# Altium PCB Dashcam_V2.0B.PcbDoc (part 4 of 8) (continued)
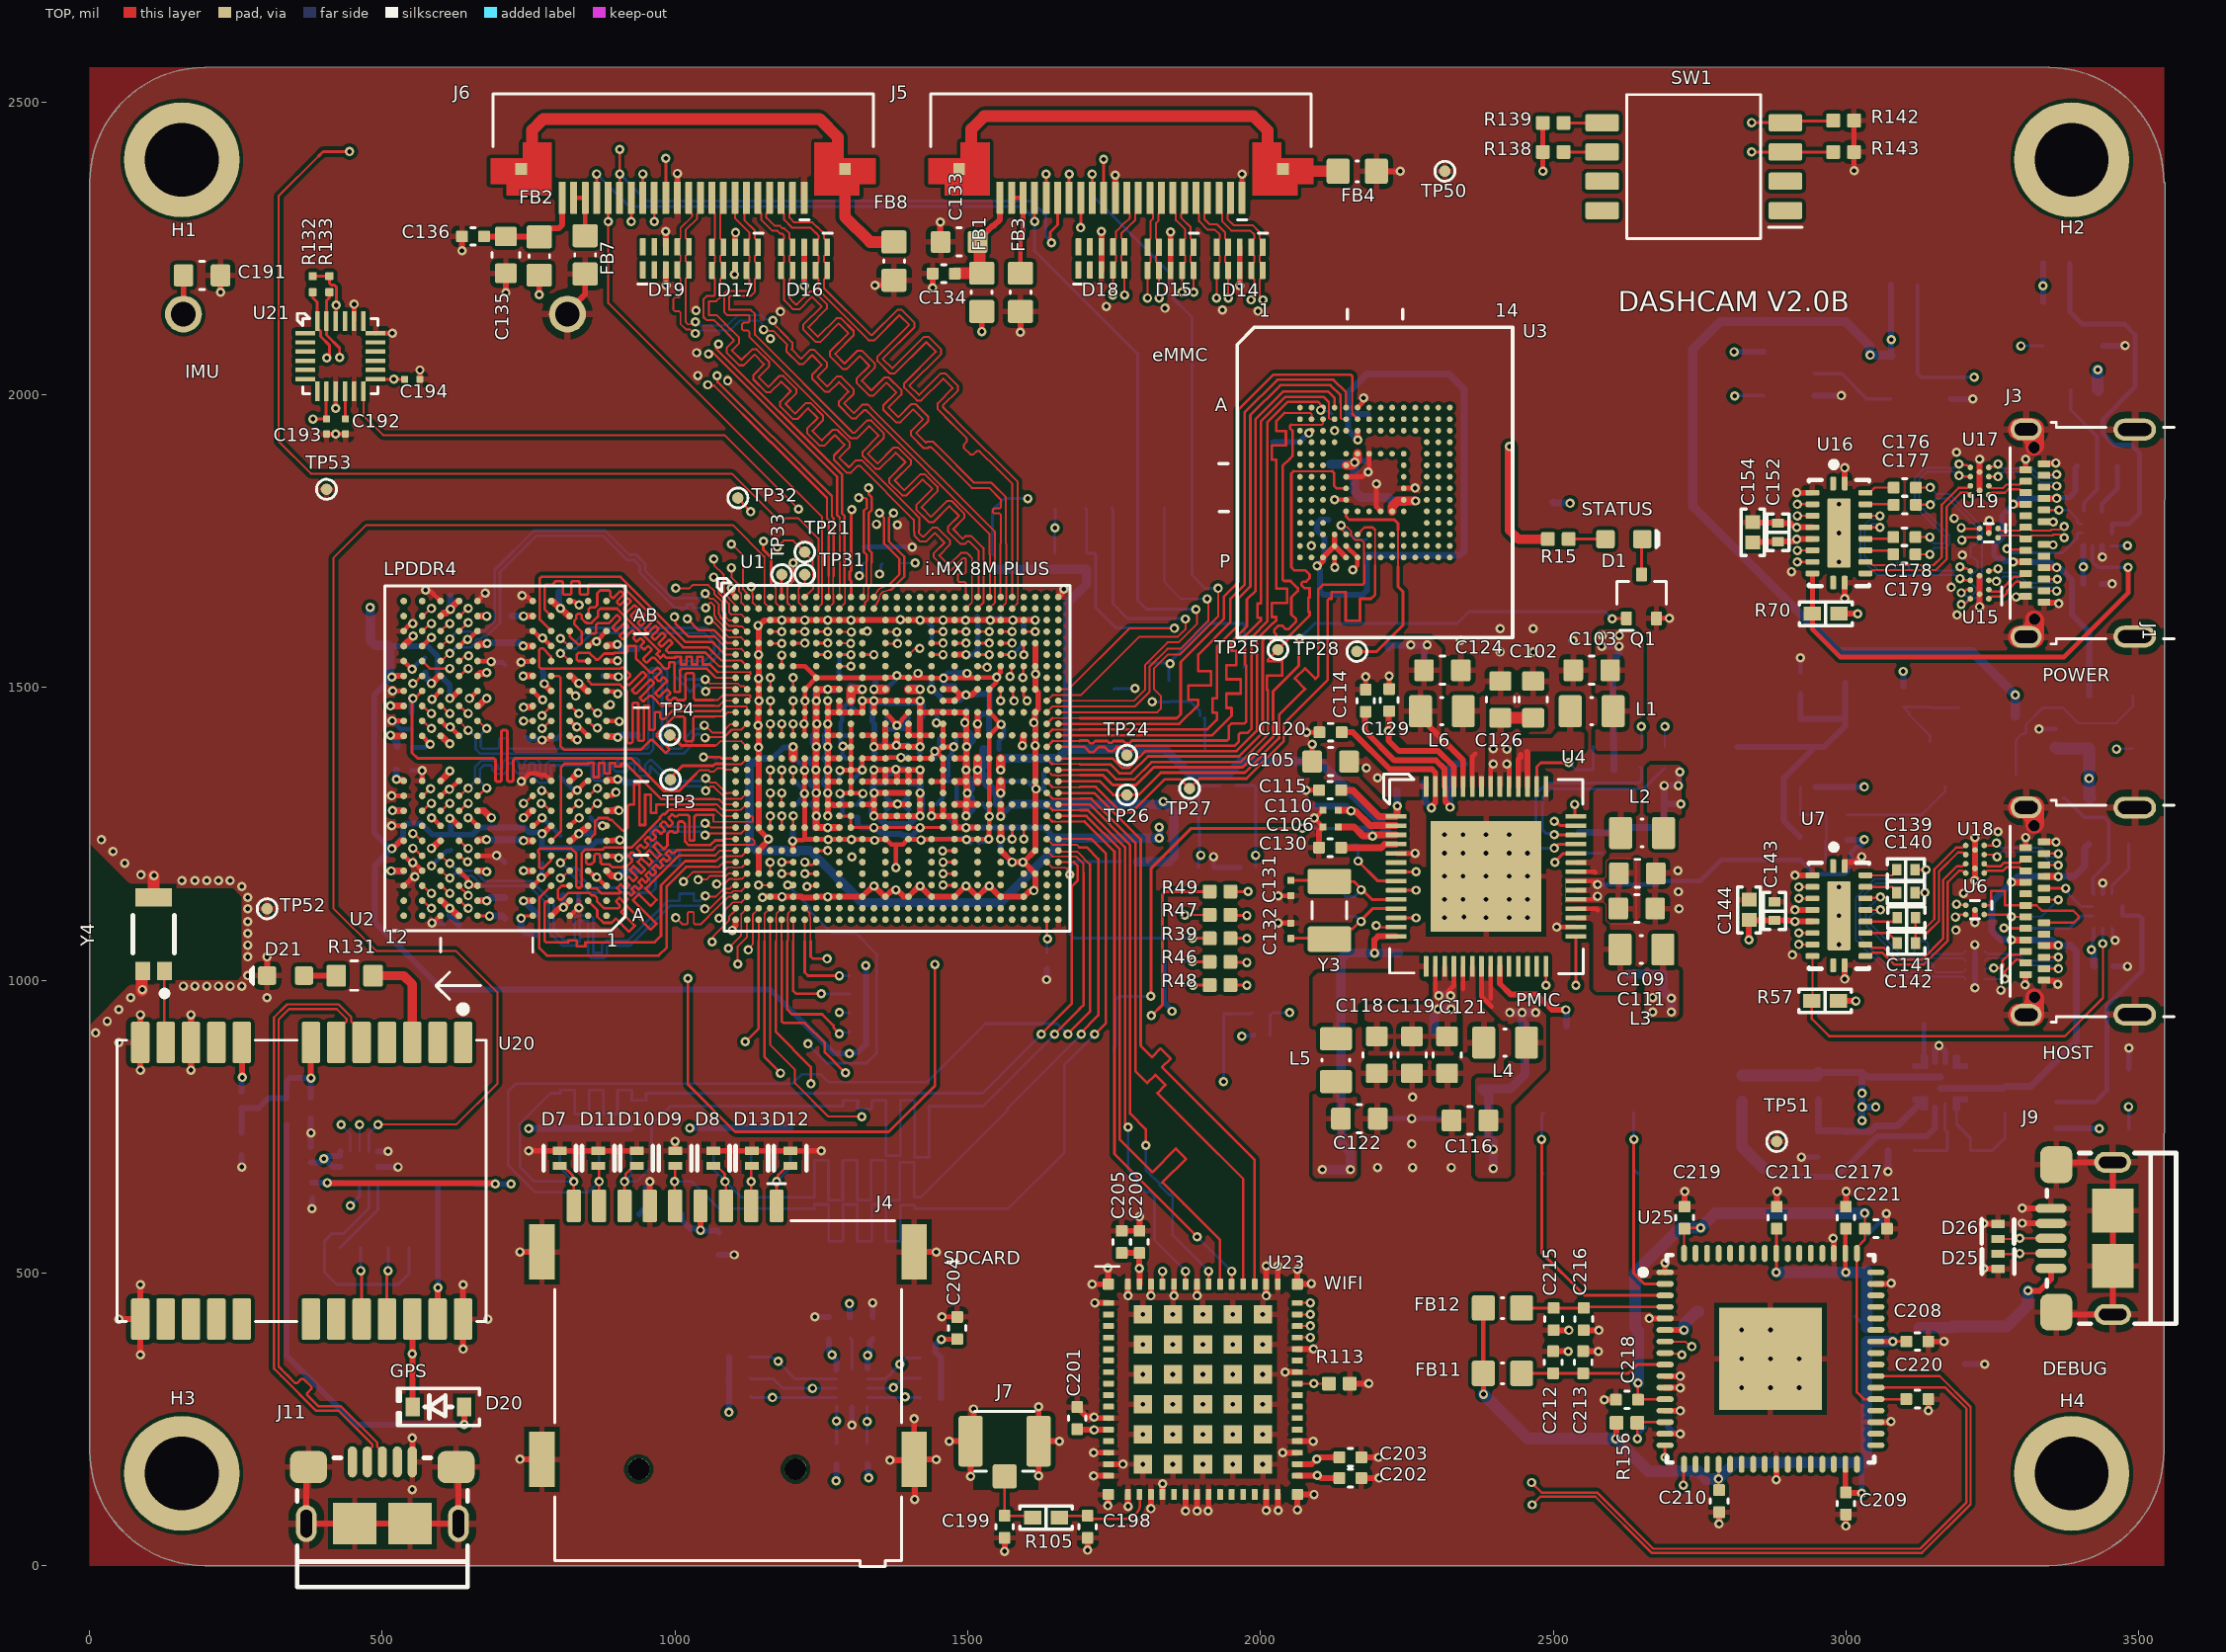
[diagram p0: TOP view]
## Nets (pads, with @x,y where several pads share a name; then routed paths per layer and width w, separated by ;. In a path a pad name is that pad's centre, name@x,y a point inside that pad or via, vN(x,y) a via of type N, cw(c..) or ccw(c..) an arc to the next point about the centre after c; other vN are vias at no path point) (continued)
  L3_IN1 w3.6: v2@585.14,1635.68 585.14,1636.21 599,1650.07 599,1766 613,1780 1107,1780 1132.14,1754.86 1132.14,1692.52 1132.14,1674.14 v2(1130,1672)
  other v2: 583.77,1634.84
DRAM_DATA0_B: U1.AC1 U2.B2 | length 559.4
  TOP w3.35: 1068.54,1213.39 1076.61,1221.46 U1.AC1@1103.46,1221.46
  TOP w4.4: U2.B2@851.49,1135.83 851.49,1135.69 867.14,1120.04 867.14,1108.61 877.7,1098.05 891.52,1098.05 895.73,1102.27 898.76,1105.3 921.08,1082.99 931.26,1093.17 907.86,1116.57 918.04,1126.75 958.42,1086.38 968.6,1096.56 928.22,1136.93 938.41,1147.12 958.42,1127.11 968.6,1137.29 949.68,1156.21 951.23,1157.77 1006.85,1213.39 1068.54,1213.39
DRAM_DATA1_A: U1.A2 U2.Y11 | length 802.8
  TOP w3.35: v2@1097.15,1744.67 1116.24,1725.58 1116.24,1667.85 1121.6,1662.49 1121.6,1656.07 U1.A2@1123.14,1654.53
  TOP w4.4: U2.Y11@568.03,1596.46 569.5,1596.46 582.3,1609.25 v2(583.77,1609.25)
  L3_IN1 w3.6: v2@585.14,1611.68 588.14,1611.68 600.14,1623.68 600.14,1636.68 615.14,1651.68 615.14,1751.68 621.14,1757.68 896,1757.68 897.8,1757.68 897.8,1761.08 921.4,1761.08 921.4,1748.28 945,1748.28 945,1760.76 968.6,1760.76 968.6,1757.68 995,1757.68 1093.51,1757.68 1095.47,1755.72 1095.47,1745.35 v2(1096.14,1744.68)
DRAM_DATA1_B: U1.AB1 U2.C2 | length 558.2
  TOP w3.35: 1082.78,1239 1084.92,1241.14 U1.AB1@1103.46,1241.14
  TOP w4.4: U2.C2@851.49,1161.42 853.25,1161.42 857.99,1156.68 866.26,1156.68 874.93,1148.02 905.02,1148.02 906,1149 907.56,1150.56 900.56,1157.55 907.21,1164.2 915.43,1155.97 922.08,1162.62 914.39,1170.31 921.04,1176.95 928.73,1169.26 935.38,1175.91 922.61,1188.68 929.25,1195.33 942.02,1182.56 948.67,1189.2 935.9,1201.97 942.55,1208.62 955.32,1195.85 961.96,1202.5 949.2,1215.27 955.84,1221.91 969.57,1208.18 976.22,1214.83 962.49,1228.56 969.14,1235.21 980.67,1223.67 984.5,1227.5 988,1231 987,1232 987,1250 991.68,1254.68 995.32,1254.68 998,1252 1002.42,1252 1005,1254.58 1005,1268.42 1007.58,1271 1013,1271 1017,1267 1017,1236.96 1022.7,1231.26 1060.77,1231.26 1068.51,1239 1082.78,1239
DRAM_DATA2_A: U1.E1 U2.V11 | length 805.8
  TOP w4.4: U2.V11@568.03,1545.28 580.82,1532.48 614.52,1532.48 v2@615,1532 ; v2@1021,1617 1021.33,1617 1040.33,1598 1067,1598 1089.21,1575.79 U1.E1@1103.46,1575.79
  L3_IN1 w3.6: v2(615.27,1532.48) 599.84,1532.52 597.73,1530.41 597.73,1515.85 601.87,1511.71 704.87,1511.71 711.87,1518.71 711.87,1666.71 715.87,1670.71 786.97,1670.71 ; 787,1670.68 877.79,1670.68 880.14,1673.04 880.14,1673.72 882.51,1676.08 901.38,1676.08 903.75,1673.72 903.75,1667.64 906.11,1665.28 924.99,1665.28 927.34,1667.64 927.34,1668.32 929.71,1670.68 931.51,1670.68 ; 931.54,1670.71 949.87,1670.71 981.87,1638.71 1013.29,1638.71 1020,1632 v2@1020,1617
  other v2: 1020.73,1617.6
DRAM_DATA2_B: U1.W2 U2.F2 | length 558.5
  TOP w3: 1082.78,1292.42 1084.71,1290.49 1107.48,1290.49 1107.99,1291 1112.21,1291
  TOP w3.35: 1066.8,1300.19 1071.76,1300.19 1079.53,1292.42 1082.78,1292.42 ; 1112.21,1291 1121.41,1300.2 U1.W2@1123.14,1300.2
  TOP w4.4: U2.F2@852,1240 853.3,1240 863,1249.7 863,1270.7 869.27,1276.97 885.28,1276.97 888.25,1274 892,1274 910.18,1255.82 913.82,1255.82 919,1261 919,1296 923.19,1300.19 927.96,1300.19 930.16,1300.19 930.16,1335.79 939.56,1335.79 939.56,1265.21 948.96,1265.21 948.96,1316.99 958.36,1316.99 958.36,1285.54 967.76,1285.54 967.76,1300.19 985,1300.19 1066.8,1300.19
DRAM_DATA3_A: U1.F2 U2.U11 | length 855.9
  TOP w3: 1088.82,1566 1113.25,1566
  TOP w3.35: 1067.57,1586.96 1088.53,1566 1088.82,1566 ; 1113.25,1566 U1.F2@1123.14,1556.1
  TOP w4.4: v2(552.28,1506.89) 553.75,1506.89 566.55,1519.69 U2.U11@568.03,1519.69 ; v2(998.93,1620.46) 1001.03,1618.36 1001.03,1608.79 1022.71,1587.11 1067.43,1587.11 1067.57,1586.96
  L3_IN1 w3.6: v2@552.14,1506.68 552.49,1506.68 565.49,1493.68 596.14,1493.68 606.86,1504.39 710.86,1504.39 720.14,1513.68 720.14,1631.68 724.14,1635.68 760.14,1635.68 783.14,1658.68 854.13,1658.68 869.53,1658.68 871.64,1656.57 871.64,1647.13 873.68,1645.09 883.2,1645.09 885.24,1647.13 885.24,1659.59 887.28,1661.63 896.8,1661.63 898.84,1659.59 898.84,1647.13 900.88,1645.09 910.4,1645.09 912.44,1647.13 912.44,1656.64 914.48,1658.68 924,1658.68 926.04,1656.64 926.04,1647.13 928.08,1645.09 937.6,1645.09 939.64,1647.13 939.64,1656.57 941.74,1658.68 946.14,1658.68 947.72,1657.1 984.23,1620.59 v2(998.93,1620.46)
DRAM_DATA3_B: U1.Y2 U2.E2 | length 590.4
  TOP w3: 1066.2,1270.8 1133,1270.8
  TOP w3.35: 1065.42,1282.32 1065.42,1271.58 1066.2,1270.8 ; U1.Y2@1123.14,1280.51 1123.73,1279.93 1131.04,1279.93 1133,1277.97 1133,1270.8
  TOP w4.4: U2.E2@851.49,1212.6 851.49,1210.68 848,1207.19 848,1200.69 850.58,1198.11 857.11,1198.11 862,1203 862,1213 865,1216 869.46,1216 872.04,1213.42 872.04,1208.96 873,1208 873,1200.69 875.58,1198.11 887.37,1198.11 888.74,1196.74 ; 888.85,1196.85 892.64,1193.06 909.49,1193.06 911.11,1194.68 918.14,1194.68 924.73,1201.27 926.29,1202.82 926.29,1206.47 921.08,1211.68 921.08,1213.67 925.73,1218.33 927.73,1218.33 933.76,1212.29 935.75,1212.29 940.41,1216.94 940.41,1218.94 935.13,1224.21 935.13,1226.2 939.79,1230.86 941.78,1230.86 947.05,1225.58 949.05,1225.58 953.7,1230.24 953.7,1232.23 948.43,1237.5 948.43,1239.5 953.08,1244.15 955.07,1244.15 960.35,1238.88 962.34,1238.88 966.99,1243.53 966.99,1245.52 961.72,1250.8 961.72,1252.79 966.37,1257.44 968.37,1257.44 975.18,1250.64 977.17,1250.64 981.82,1255.29 981.82,1257.28 975.01,1264.09 975.01,1266.09 979.67,1270.74 981.66,1270.74 989.43,1262.97 991.43,1262.97 996.08,1267.62 996.08,1269.62 989.48,1276.21 989.48,1278.2 994.14,1282.86 996.13,1282.86 999.4,1279.58 1003.05,1279.58 1005.78,1282.32 1009.34,1282.32 1010,1282.32 1020.4,1282.32 cw(c1020.4,1277.92) 1024.8,1277.92 1024.8,1240.3 ccw(c1026.44,1240.3) 1026.44,1238.66 1031.36,1238.66 ccw(c1031.36,1240.3) 1033,1240.3 1033,1277.92 cw(c1037.4,1277.92) 1037.4,1282.32 1065.42,1282.32 1066,1281.73
DRAM_DATA4_A: U1.E2 U2.U9 | length 855.4
  TOP w3: 1092.2,1585.68 1113.25,1585.68
  TOP w3.35: v2@1064.56,1612.26 1065.61,1612.26 1092.2,1585.68 ; 1113.25,1585.68 U1.E2@1123.14,1575.79
  TOP w4.4: U2.U9@631.02,1519.69 632.49,1519.69 645.29,1532.48 v2(646.76,1532.48)
  L3_IN1 w3.6: v2@648.14,1534.68 652.14,1534.68 662.14,1544.68 662.14,1553.68 669.14,1560.68 692.14,1560.68 702.14,1570.68 702.14,1677.68 707.14,1682.68 749.06,1682.68 750.86,1682.68 752.97,1684.79 752.97,1687.79 754.33,1689.15 765.21,1689.15 766.57,1687.79 766.57,1678.67 767.93,1677.31 778.81,1677.31 780.17,1678.67 780.17,1687.72 781.53,1689.08 792.41,1689.08 793.77,1687.72 793.77,1678.64 795.13,1677.28 806.01,1677.28 807.37,1678.64 807.37,1687.72 808.73,1689.08 819.61,1689.08 820.97,1687.72 820.97,1678.64 822.33,1677.28 833.21,1677.28 834.57,1678.64 834.57,1687.72 835.93,1689.08 846.81,1689.08 848.17,1687.72 848.17,1678.64 849.53,1677.28 860.41,1677.28 861.77,1678.64 861.77,1687.72 863.13,1689.08 874.01,1689.08 875.37,1687.72 875.37,1684.79 877.48,1682.68 903.3,1682.68 954.14,1682.68 987.14,1649.68 1019.4,1649.68 1037.14,1631.94 1037.14,1601.68 1045.14,1593.68 1084.18,1593.68 1086.14,1595.64 1086.14,1612.68 1083.14,1615.68 1058.03,1615.68 v2(1057.18,1614.84)
DRAM_DATA4_B: U1.Y1 U2.E4 | length 559.7
  TOP w3.35: 1066.8,1291.25 1069.57,1291.25 1080.31,1280.51 U1.Y1@1103.46,1280.51
  TOP w4.4: U2.E4@788.5,1212.6 787.72,1211.82 787.72,1204.72 774.17,1191.17 770.52,1191.17 767.95,1193.75 767.95,1217.13 766.3,1218.78 766.3,1222.42 768.88,1225 823.08,1225 830.95,1217.13 830.95,1160.58 833.52,1158 837.96,1158 840.54,1160.58 840.54,1217.13 846.95,1223.55 876.55,1223.55 879.51,1226.51 924.98,1226.51 973.32,1274.86 974.88,1276.41 973.55,1277.75 980.19,1284.39 981.53,1283.06 985.73,1287.27 989.72,1291.25 1066.8,1291.25
DRAM_DATA5_A: U1.C1 U2.V9 | length 819.1
  TOP w3.35: v2(1001.14,1669.68) 1024.68,1669.68 1030,1675 1056.82,1675 1067.42,1664.4 1067.42,1659.25 1080.88,1645.79 1080.88,1630.96 1086.14,1625.7 1086.14,1620.51 1091.98,1614.68 1102.98,1614.68 U1.C1@1103.46,1615.16
  TOP w4.4: U2.V9@631.02,1545.28 631.92,1545.28 640.54,1553.9 646.89,1553.9 v2(647.17,1554.17)
  L3_IN1 w3.6: v2@647.14,1552.68 634.14,1552.68 632.14,1554.68 632.14,1564.68 636.14,1568.68 652.14,1568.68 674.14,1590.68 684.14,1590.68 692.14,1598.68 692.14,1690.68 692.58,1691.11 694.38,1692.91 694.38,1701.72 696.74,1704.08 715.62,1704.08 717.98,1701.72 717.98,1691.64 720.34,1689.28 739.22,1689.28 741.58,1691.64 741.58,1701.72 743.94,1704.08 762.82,1704.08 765.18,1701.72 765.18,1698.04 767.54,1695.68 880.82,1695.68 883.18,1698.04 883.18,1701.72 885.54,1704.08 904.42,1704.08 906.78,1701.72 906.78,1691.64 909.14,1689.28 928.02,1689.28 930.38,1691.64 930.38,1701.72 932.74,1704.08 951.62,1704.08 953.98,1701.72 953.98,1691.64 956.34,1689.28 975.22,1689.28 977.58,1691.64 977.58,1693.32 979.94,1695.68 998.32,1695.68 999.8,1694.2 1020.8,1694.2 1026,1689 1026,1676 1019.68,1669.68 v2(1001.14,1669.68)
DRAM_DATA5_B: U1.W1 U2.F4 | length 559.2
  TOP w3.35: 1067.8,1309.13 1074.69,1309.13 1083.62,1300.2 U1.W1@1103.46,1300.2
  TOP w4.4: U2.F4@790.14,1237.68 790.14,1239.83 805.14,1254.83 805.14,1363.68 811.17,1369.71 849,1369.71 851.2,1369.71 851.2,1371.3 860.6,1371.3 860.6,1346.92 870,1346.92 870,1371.3 879.4,1371.3 879.4,1353.38 888.8,1353.38 888.8,1371.3 898.2,1371.3 898.2,1364.91 907.6,1364.91 907.6,1369.71 915,1369.71 916.11,1369.71 976.69,1309.13 1067.8,1309.13
DRAM_DATA6_A: U1.C2 U2.Y9 | length 763.9
  TOP w3: 1095.82,1625 1113.3,1625
  TOP w3.35: v2@1067.14,1687.68 1074.7,1680.11 1074.7,1661.14 1087.23,1648.61 1087.23,1647.81 1092.14,1642.89 1092.14,1628.68 1095.82,1625 ; 1113.3,1625 U1.C2@1123.14,1615.16
  TOP w4.4: U2.Y9@631.02,1596.46 631.78,1596.46 646,1610.68 v2(646.76,1610.68)
  L3_IN1 w3.6: v2@647.14,1609.68 646.49,1610.33 633.75,1610.33 631.14,1607.72 631.14,1602.68 636.14,1597.68 655.14,1597.68 662.14,1604.68 662.14,1698.68 674.14,1710.68 778,1710.68 813.28,1710.68 815.64,1713.04 815.64,1716.72 818,1719.08 836.88,1719.08 839.24,1716.72 839.24,1704.64 841.6,1702.28 860.48,1702.28 862.84,1704.64 862.84,1708.32 865.2,1710.68 867,1710.68 1018.14,1710.68 1053.14,1675.68 1059.14,1675.68 1067.14,1667.68 1071.68,1667.68 1075.38,1671.38 1075.38,1679.44 v2(1066.14,1688.68)
DRAM_DATA6_B: U1.AC2 U2.B4 | length 559.8
  TOP w3: 1082.78,1210.68 1084.1,1212 1099.19,1212 1099.44,1211.75 1107.48,1211.75 1107.73,1212 1113.69,1212
  TOP w3.35: 1067.8,1203.55 1070.17,1203.55 1077.3,1210.68 1082.78,1210.68 ; 1113.69,1212 U1.AC2@1123.14,1221.46
  TOP w4.4: U2.B4@788.5,1135.83 786.94,1134.27 779.1,1134.27 776.98,1132.15 776.98,1105.84 777.14,1105.68 777.14,1067.58 779.72,1065 804,1065 818,1065 818,1067.77 832.4,1067.77 832.4,1057.94 846.8,1057.94 846.8,1065 849,1065 965,1065 976,1076 976,1162 1017.55,1203.55 1067.8,1203.55
DRAM_DATA7_A: U1.B1 U2.AA9 | length 761.6
  TOP w3.35: v2(1066.14,1719.68) 1067,1718.82 1067,1708.82 1081.73,1694.08 1083,1692.82 1083,1661.82 1093.58,1651.24 1093.58,1650.44 1101.91,1642.1 1101.91,1636.39 U1.B1@1103.46,1634.84
  TOP w4.4: U2.AA9@631.02,1622.05 632.27,1622.05 645.51,1635.28 v2(646.76,1635.28)
  L3_IN1 w3.6: v2@645.14,1636.68 645.14,1715.68 655.14,1725.68 659.38,1725.68 661.18,1725.68 664.72,1729.22 664.72,1731.54 668.26,1735.08 684.78,1735.08 688.32,1731.54 688.32,1720.82 691.86,1717.28 708.38,1717.28 711.92,1720.82 711.92,1731.54 715.46,1735.08 731.98,1735.08 735.52,1731.54 735.52,1720.82 739.06,1717.28 755.58,1717.28 759.12,1720.82 759.12,1722.14 762.66,1725.68 849.98,1725.68 853.52,1729.22 853.52,1731.54 857.06,1735.08 873.58,1735.08 877.12,1731.54 877.12,1720.82 880.66,1717.28 897.18,1717.28 900.72,1720.82 900.72,1731.54 904.26,1735.08 920.78,1735.08 924.32,1731.54 924.32,1720.82 927.86,1717.28 944.38,1717.28 947.92,1720.82 947.92,1731.54 951.46,1735.08 967.98,1735.08 971.52,1731.54 971.52,1720.82 975.06,1717.28 991.58,1717.28 995.12,1720.82 995.12,1722.14 998.66,1725.68 1021.15,1725.68 1027.48,1732 1051.52,1732 1063.84,1719.68 v2(1066.14,1719.68)
DRAM_DATA7_B: U1.AD1 U2.C4 | length 583.2
  TOP w3.35: 1067.8,1193.55 1074.7,1193.55 1082.92,1201.77 U1.AD1@1103.46,1201.77
  TOP w4.4: U2.C4@788.5,1161.42 768.1,1141.02 768.1,1131.23 768,1131.13 768,1055 781,1042 972,1042 986,1056 986,1160.54 1019.02,1193.55 1067.8,1193.55
DRAM_DATA8_A: U1.G1 U2.AA2 | length 602.9
  TOP w3.35: 1066.8,1544.74 1075.12,1536.42 U1.G1@1103.46,1536.42
  TOP w4.4: U2.AA2@852.14,1624.68 852.14,1633.68 855.14,1636.68 863.14,1636.68 867.14,1640.68 867.14,1660.75 872.39,1666 880.96,1666 887.15,1666 889.73,1663.42 889.73,1659.78 889.22,1659.27 889.22,1656.89 892.78,1653.33 895.16,1653.33 905.78,1663.95 908.15,1663.95 911.72,1660.38 911.72,1658.01 901.17,1647.46 901.17,1645.08 904.73,1641.52 907.11,1641.52 917.66,1652.07 920.03,1652.07 923.6,1648.5 923.6,1646.13 913.06,1635.6 913.06,1633.22 916.63,1629.66 919,1629.66 929.54,1640.19 931.91,1640.19 935.47,1636.62 935.47,1634.25 924.94,1623.72 924.94,1621.34 928.51,1617.78 930.88,1617.78 941.41,1628.31 943.79,1628.31 947.35,1624.74 947.35,1622.37 936.82,1611.84 936.82,1609.46 940.39,1605.9 942.76,1605.9 953.29,1616.43 955.67,1616.43 959.23,1612.87 959.23,1610.49 948.7,1599.96 948.7,1597.58 952.27,1594.02 954.64,1594.02 965.17,1604.55 967.55,1604.55 971.11,1600.99 971.11,1598.61 960.58,1588.08 960.58,1585.7 964.15,1582.14 966.52,1582.14 977.05,1592.67 979.43,1592.67 982.99,1589.11 982.99,1586.73 972.46,1576.2 972.46,1573.82 976.02,1570.26 978.4,1570.26 988.93,1580.79 991.31,1580.79 994.87,1577.23 994.87,1574.85 985.23,1565.2 985.23,1562.83 988.79,1559.27 991.16,1559.27 991.54,1559.64 995.18,1559.64 ; 995.2,1559.61 999.61,1559.61 1051.92,1559.61 1066.8,1544.74
DRAM_DATA8_B: U1.AH3 U2.B11 | length 821.3
  TOP w3: 1133,1061.94 1133,1113.2
  TOP w3.35: v2(1125.14,1051.68) 1125.14,1054.08 1133,1061.94 ; 1133,1113.2 U1.AH3@1142.83,1123.03
  TOP w4.4: U2.B11@568.03,1135.83 569.5,1135.83 582.65,1122.68 v2@583.14,1122.68
  L3_IN1 w3.6: v2@587.14,1121.68 587.14,1118.86 606,1100 606,1025 675,956 1081,956 1125.14,1000.14 v2(1125.14,1051.68)
  other v2: 583.77,1123.03
DRAM_DATA9_A: U1.H1 U2.Y2 | length 562.9
  TOP w3.35: 1067.8,1518.46 1069.52,1516.73 U1.H1@1103.46,1516.73
  TOP w4.4: U2.Y2@851.49,1596.46 853.16,1596.46 857.61,1592 862.51,1592 865.08,1594.58 865.08,1607.08 867.68,1609.68 883.21,1609.68 886.32,1609.68 900,1623.36 902,1623.36 906.65,1618.71 906.65,1616.71 893.43,1603.49 893.43,1601.5 898.08,1596.85 900.08,1596.85 913.29,1610.07 915.29,1610.07 919.94,1605.41 919.94,1603.42 905.9,1589.38 905.9,1587.38 910.55,1582.73 912.55,1582.73 926.59,1596.77 928.58,1596.77 933.24,1592.12 933.24,1590.12 928.81,1585.7 928.81,1583.71 933.46,1579.05 935.46,1579.05 939.88,1583.48 941.88,1583.48 946.53,1578.83 946.53,1576.83 941.5,1571.8 941.5,1569.81 946.15,1565.15 948.14,1565.15 953.18,1570.18 955.17,1570.18 959.82,1565.53 959.82,1563.54 945.87,1549.59 945.87,1547.59 950.52,1542.94 952.52,1542.94 960.38,1550.8 964.02,1550.8 971.41,1543.41 982.82,1532 984.94,1532 987.14,1532 989.72,1534.58 989.72,1541.87 991.13,1543.28 997.71,1543.28 999.12,1541.87 999.12,1494.17 1000.53,1492.76 1007.11,1492.76 1008.52,1494.17 1008.52,1529.42 1011.1,1532 1026.44,1532 1054.26,1532 1067.8,1518.46
DRAM_DATA9_B: U1.AJ2 U2.C11 | length 795.6
  TOP w3.35: v2@1107.14,1027.83 1107.14,1057.68 1123.14,1073.68 U1.AJ2@1123.14,1103.35
  TOP w4.4: U2.C11@568.03,1161.42 569.5,1161.42 v2@582.14,1148.78
  L3_IN1 w3.6: v2@587.11,1146.65 587.11,1143.71 598.14,1132.68 598.14,1120.68 620.14,1098.68 620.14,1022.86 678,965 1078,965 1107.14,994.14 v2(1107.14,1027.68)
  other v2: 583.77,1148.62
DRAM_DATA10_A: U1.K1 U2.V4 | length 591.8
  TOP w3.35: 1065.88,1468.68 1075.14,1468.68 1083.83,1477.36 1099.83,1477.36 U1.K1@1100.14,1477.68
  TOP w4.4: U2.V4@788.5,1545.28 787.78,1546 787.78,1553.22 774.17,1566.83 770.52,1566.83 767.95,1564.25 767.95,1534.94 770.52,1532.36 907.2,1532.36 908.51,1533.67 912.15,1533.67 915.41,1530.41 922.97,1522.84 922.97,1519.2 914.95,1511.18 914.95,1509.19 919.61,1504.53 921.6,1504.53 943.71,1526.64 945.7,1526.64 950.35,1521.98 950.35,1519.99 926.91,1496.55 926.91,1494.55 931.56,1489.9 933.56,1489.9 957,1513.34 958.99,1513.34 963.65,1508.69 963.65,1506.7 940.2,1483.25 940.2,1481.26 944.86,1476.61 946.85,1476.61 956.21,1485.97 959.85,1485.97 961.41,1484.41 977.14,1468.68 1065.88,1468.68
DRAM_DATA10_B: U1.AE1 U2.E11 | length 856.7
  TOP w3.35: v2(1039.35,1171.51) 1040.1,1172.26 1053.75,1172.26 1059.35,1177.85 1087,1177.85 1091.24,1182.09 U1.AE1@1103.46,1182.09
  TOP w4.4: v2(552.28,1225.39) 553.75,1225.39 566.55,1212.6 U2.E11@568.03,1212.6
  L3_IN1 w3.6: v2@554.14,1226.68 554.64,1226.17 554.64,1216.36 561.32,1209.68 594.69,1209.68 598.14,1209.68 604.47,1216 cw(c607.51,1212.96) 610.55,1216 610.91,1215.64 ccw(c613.95,1218.68) 616.99,1215.64 ccw(c613.95,1218.68) 616.99,1221.72 603.8,1234.92 cw(c606.84,1237.96) 603.8,1241 cw(c606.84,1237.96) 609.88,1241 624.85,1226.02 ccw(c627.89,1229.06) 630.93,1226.02 ccw(c627.89,1229.06) 630.93,1232.1 628.79,1234.24 cw(c631.83,1237.29) 628.79,1240.33 629.14,1240.68 637.07,1240.68 656.14,1240.68 662.59,1234.23 662.59,1223.25 671.35,1214.5 674.33,1214.5 694.83,1235 699,1235 713.14,1220.86 713.14,1175.68 729.14,1159.68 739.14,1159.68 758.37,1140.45 760.14,1138.68 762.25,1136.54 764.5,1136.54 766.54,1134.5 766.54,1124.98 764.5,1122.94 751.97,1122.94 749.93,1120.9 749.93,1111.38 751.97,1109.34 760.48,1109.34 772.82,1097 776.82,1093 922.46,1093 980.46,1151 1028,1151 1038.06,1161.06 1038.06,1170.22 v2(1039.35,1171.51)
DRAM_DATA11_A: U1.K2 U2.V2 | length 599.7
  TOP w3: 1081.46,1487 1099.36,1487 1099.44,1487.07 1107.48,1487.07 1107.55,1487 1128,1487
  TOP w3.35: 1065.27,1478.68 1073.14,1478.68 1081.46,1487 ; U1.K2@1123.14,1477.36 1123.14,1477.63 1128.87,1483.36 1128.87,1486.13 1128,1487
  TOP w4.4: U2.V2@851.14,1544.68 850.54,1545.28 834.72,1545.28 832.14,1547.86 832.14,1556.51 834.72,1559.09 853.91,1559.09 865.18,1547.82 868.82,1547.82 879,1558 895.52,1558 896.52,1559 915,1559 ; 914,1559.09 916.2,1559.09 918.78,1561.66 918.78,1569.74 920.22,1571.18 931.74,1571.18 933.18,1569.74 933.18,1549.82 942.33,1540.67 942.67,1540.33 957.52,1525.48 961.16,1525.48 969.35,1533.67 970.68,1533.67 976,1528.35 976,1527.02 966.55,1517.58 966.55,1516.25 971.87,1510.93 973.2,1510.93 979.47,1517.2 980.8,1517.2 986.11,1511.88 986.11,1510.55 966.59,1491.03 966.59,1489.7 971.91,1484.38 973.23,1484.38 985.26,1496.41 986.59,1496.41 991.91,1491.09 991.91,1489.76 985.54,1483.39 985.54,1482.06 990.86,1476.74 992.19,1476.74 997.4,1481.96 1001.04,1481.96 1004.32,1478.68 1012.14,1478.68 1013.1,1478.68 1015.3,1478.68 1017.88,1481.25 1017.88,1522.44 1020.04,1524.6 1030.12,1524.6 1032.28,1522.44 1032.28,1481.25 1034.85,1478.68 1043,1478.68 1065.27,1478.68
DRAM_DATA11_B: U1.AD2 U2.F11 | length 905.9
  TOP w3: 1090.46,1193 1098.5,1193 1099.44,1192.06 1107.48,1192.06 1108.42,1193 1114.37,1193
  TOP w3.35: v2(1014.34,1168.47) 1031.18,1185.31 1082.78,1185.31 1090.46,1193 ; 1114.37,1193 U1.AD2@1123.14,1201.77
  TOP w4.4: v2(552.28,1250.75) 553.87,1250.75 566.43,1238.19 U2.F11@568.03,1238.19
  L3_IN1 w3.6: v2@554.14,1249.68 555.61,1249.68 562.61,1242.68 596.14,1242.68 607.14,1253.68 669.22,1253.68 671.54,1256 684.52,1256 686.84,1253.68 691.84,1253.68 722.14,1223.38 722.14,1179.68 731.14,1170.68 742.14,1170.68 749.41,1163.41 750.68,1162.14 753.66,1162.14 756.73,1165.2 758.4,1165.2 773.42,1150.18 773.42,1148.51 770.35,1145.45 770.35,1142.47 773.14,1139.68 773.14,1130.14 773.14,1116.68 782.14,1107.68 ; 782.18,1107.68 783.98,1107.68 786.09,1109.79 786.09,1114.27 787.45,1115.63 798.33,1115.63 799.69,1114.27 799.69,1106.42 801.05,1105.06 811.93,1105.06 813.29,1106.42 813.29,1110.12 814.65,1111.48 825.53,1111.48 826.89,1110.12 826.89,1106.42 828.25,1105.06 839.13,1105.06 840.49,1106.42 840.49,1109.62 841.85,1110.98 852.73,1110.98 854.09,1109.62 854.09,1104.19 855.45,1102.83 866.33,1102.83 867.69,1104.19 867.69,1127.98 869.05,1129.34 879.93,1129.34 881.29,1127.98 881.29,1101.03 882.65,1099.67 893.53,1099.67 894.89,1101.03 894.89,1105.57 897,1107.68 903,1107.68 905.15,1107.68 906.14,1107.68 916.53,1118.07 cw(c921.34,1113.26) 926.15,1118.07 927.37,1116.85 ccw(c932.17,1121.66) 936.98,1116.85 ccw(c932.17,1121.66) 936.98,1126.47 927.51,1135.94 cw(c932.32,1140.75) 927.51,1145.56 cw(c932.32,1140.75) 937.13,1145.56 946.6,1136.09 ccw(c951.41,1140.89) 956.22,1136.09 ccw(c951.41,1140.89) 956.22,1145.7 955,1146.92 cw(c959.81,1151.73) 955,1156.54 967.14,1168.68 974.25,1168.68 1014.14,1168.68 v2(1014.34,1168.47)
DRAM_DATA12_A: U1.L2 U2.U2 | length 658.1
  TOP w3: 1086.12,1467.65 1122.17,1467.65 1122.35,1467.48
  TOP w3.35: 1077.8,1459.34 1086.12,1467.65 ; 1122.35,1467.48 1123.14,1466.68 U1.L2@1123.14,1457.68
  TOP w4.4: U2.U2@851.49,1519.69 851.73,1519.44 851.73,1511.27 858,1505 878.4,1505 878.45,1505.05 887.52,1505.05 887.57,1505 906,1505 918,1493 918,1407.58 920.58,1405 923,1405 925.2,1405 927.78,1407.58 927.78,1472.41 929.19,1473.82 935.77,1473.82 937.18,1472.41 937.18,1410.45 938.59,1409.04 945.17,1409.04 946.58,1410.45 946.58,1467.8 947.99,1469.21 954.57,1469.21 955.98,1467.8 955.98,1429.25 957.39,1427.84 963.97,1427.84 965.38,1429.25 965.38,1456.42 966.79,1457.83 973.37,1457.83 974.78,1456.42 974.78,1448.58 977.36,1446 981,1446 986.53,1451.53 994.34,1459.34 1077.8,1459.34
DRAM_DATA12_B: U1.AE2 U2.F9 | length 846.3
  TOP w3: 1092.46,1173 1098.82,1173 1099.44,1172.38 1107.48,1172.38 1108.1,1173 1114.06,1173
  TOP w3.35: v2(1071.14,1164.25) 1071.58,1164.69 1084.15,1164.69 1092.46,1173 ; 1114.06,1173 U1.AE2@1123.14,1182.09
  TOP w4.4: U2.F9@631.02,1238.19 632.49,1238.19 645.29,1225.39 v2(646.76,1225.39)
  L3_IN1 w3.6: v2@648.14,1225.4 668.59,1203.57 670.93,1201.23 684.61,1201.23 688.51,1197.33 692.49,1197.33 702.41,1187.41 706,1183.82 706,1173.31 691.15,1158.46 691.15,1157.24 696.01,1152.38 697.23,1152.38 708.94,1164.08 711.92,1164.08 715.73,1160.27 717,1159 719.14,1156.86 719.14,1139.14 719.14,1139 719.14,1137.2 721.5,1134.84 722.25,1134.84 724.61,1132.48 724.61,1113.6 722.25,1111.24 713.1,1111.24 710.74,1108.88 710.74,1090 713.1,1087.64 723.18,1087.64 727.82,1083 728.14,1082.68 737,1082.68 738.8,1082.68 741.52,1085.4 741.52,1090.16 744.24,1092.89 752.4,1092.89 755.12,1090.16 755.12,1085.4 757.84,1082.68 766,1082.68 869.32,1082.68 937.14,1082.68 938.16,1083.7 cw(c942.97,1078.89) 947.78,1083.7 953.5,1077.98 ccw(c958.31,1082.79) 963.11,1077.98 ccw(c958.31,1082.79) 963.11,1087.6 949.56,1101.15 cw(c954.37,1105.96) 949.56,1110.77 cw(c954.37,1105.96) 959.18,1110.77 972.73,1097.22 ccw(c977.54,1102.02) 982.35,1097.22 ccw(c977.54,1102.02) 982.35,1106.83 968.8,1120.38 cw(c973.61,1125.19) 968.8,1130 cw(c973.61,1125.19) 978.41,1130 987.58,1120.83 ccw(c992.39,1125.64) 997.2,1120.83 ccw(c992.39,1125.64) 997.2,1130.44 995.86,1131.78 cw(c1000.67,1136.59) 995.86,1141.4 997.02,1142.55 1007.26,1142.55 1029.63,1142.55 1051.76,1164.68 1070.72,1164.68 v2(1071.14,1164.25)
DRAM_DATA13_A: U1.L1 U2.U4 | length 604.2
  TOP w3.35: 1067.8,1450.4 1082.87,1450.4 1090.14,1457.68 U1.L1@1103.46,1457.68
  TOP w4.4: U2.U4@788.5,1519.69 801.56,1519.69 804.14,1517.11 804.14,1400.11 810.7,1393.55 941.55,1393.55 950,1402 958.2,1410.2 961.85,1410.2 983.09,1388.96 985.09,1388.96 989.74,1393.61 989.74,1395.61 968.49,1416.85 968.49,1420.49 974.5,1426.5 997.37,1449.37 998.4,1450.4 1013.97,1450.4 1016.55,1447.82 1016.55,1410.54 1018.71,1408.38 1028.79,1408.38 1030.95,1410.54 1030.95,1447.82 1033.53,1450.4 1042,1450.4 1067.8,1450.4
DRAM_DATA13_B: U1.AG1 U2.E9 | length 811.4
  TOP w3.35: v2@1001.14,1107.08 1012.67,1095.55 1018,1095.55 1019.67,1095.55 1021.74,1097.62 1021.74,1114.81 1023.81,1116.88 1030.02,1116.88 1032.09,1114.81 1032.09,1097.62 1034.16,1095.55 1044.02,1095.55 1072,1123.54 1091.18,1142.72 U1.AG1@1103.46,1142.72
  TOP w4.4: U2.E9@631.02,1212.6 632.85,1212.6 643.08,1202.37 v2(645.63,1202.37)
  L3_IN1 w3.6: v2(645.63,1202.37) 645.63,1201.43 662.49,1184.57 662.49,1179.07 665.14,1176.42 704.14,1132.68 704.14,1073.68 719.14,1058.68 730,1058.68 739.31,1058.68 742.85,1062.22 742.85,1067.79 746.39,1071.33 762.91,1071.33 766.45,1067.79 766.45,1051.02 769.99,1047.48 786.51,1047.48 790.05,1051.02 790.05,1067.79 793.59,1071.33 810.11,1071.33 813.65,1067.79 813.65,1051.02 817.19,1047.48 833.71,1047.48 837.25,1051.02 837.25,1067.79 840.79,1071.33 857.31,1071.33 860.85,1067.79 860.85,1051.02 864.39,1047.48 880.91,1047.48 884.45,1051.02 884.45,1067.79 887.99,1071.33 904.51,1071.33 908.05,1067.79 908.05,1051.02 911.59,1047.48 928.11,1047.48 931.65,1051.02 931.65,1055.14 935.19,1058.68 936.99,1058.68 953.14,1058.68 v2(1001.14,1106.68)
DRAM_DATA14_A: U1.G2 U2.AA4 | length 539.6
  TOP w3: 1078.97,1546.13 1113.43,1546.13
  TOP w3.35: 1067.8,1557.3 1078.97,1546.13 ; 1113.43,1546.13 U1.G2@1121.88,1537.68
  TOP w4.4: U2.AA4@788.5,1622.05 776.98,1633.57 776.98,1673.42 779.56,1676 789,1676 791.2,1676 793.78,1678.58 793.78,1679.44 795.94,1681.6 806.02,1681.6 808.18,1679.44 808.18,1660.75 810.34,1658.59 820.42,1658.59 822.58,1660.75 822.58,1679.44 824.74,1681.6 834.82,1681.6 836.98,1679.44 836.98,1660.75 839.14,1658.59 849.22,1658.59 851.38,1660.75 851.38,1673.42 853.96,1676 869.79,1676 906.56,1676 1013.82,1568.74 1056.36,1568.74 1067.8,1557.3 ; U1.G2@1121.88,1537.68 U1.G2@1123.14,1537.68
DRAM_DATA14_B: U1.AG2 U2.C9 | length 870
  TOP w3: 1098.46,1133 1113.43,1133
  TOP w3.35: v2(1075.14,1105.68) 1084.85,1115.39 1084.85,1119.39 1098.46,1133 ; 1113.43,1133 U1.AG2@1123.14,1142.72
  TOP w4.4: U2.C9@631.02,1161.42 631.02,1160.82 646.7,1145.13 v2(646.7,1144.53)
  L3_IN1 w3.6: v2(646.7,1144.53) 648.04,1144.53 663.14,1129.43 663.14,1100 663.14,1098.2 666.23,1095.11 691.43,1095.11 694.52,1092.02 694.52,1077.6 691.43,1074.51 666.23,1074.51 663.14,1071.42 663.14,1061.76 663.14,1047.86 674.32,1036.68 987.32,1036.68 989.87,1036.68 993.41,1040.22 993.41,1045.22 977.13,1061.5 977.13,1066.51 988.81,1078.19 993.82,1078.19 1034.18,1037.82 1039.19,1037.82 1050.87,1049.51 1050.87,1054.51 1011.47,1093.91 1011.47,1098.92 1023.15,1110.6 1028.16,1110.6 1051.61,1087.15 1056.61,1087.15 1064.73,1095.27 v2(1075.14,1105.68)
DRAM_DATA15_A: U1.F1 U2.Y4 | length 487.9
  TOP w3.35: 1067.8,1574.02 1085.72,1556.1 U1.F1@1103.46,1556.1
  TOP w4.4: U2.Y4@788.5,1596.46 768.87,1616.09 768.87,1686.42 771.45,1689 907,1689 1018.32,1577.68 1064.14,1577.68 1067.14,1574.68
DRAM_DATA15_B: U1.AH1 U2.B9 | length 850.8
  TOP w3.35: v2(1063.14,1065.68) 1065.34,1067.88 1065.34,1075.18 1092.03,1101.87 1092.03,1108.37 1100.84,1117.18 1100.84,1118.23 1103.46,1120.85 U1.AH1@1103.46,1123.03
  TOP w4.4: U2.B9@631.02,1135.83 632.49,1135.83 645.29,1123.03 v2(646.76,1123.03)
  L3_IN1 w3.6: v2@646.14,1120.68 646.76,1120.06 646.76,1040.06 667.89,1018.93 769.25,1018.93 771.05,1018.93 774.59,1022.47 774.59,1026.54 778.13,1030.08 794.65,1030.08 798.19,1026.54 798.19,990.14 801.73,986.6 818.25,986.6 821.79,990.14 821.79,1026.54 825.33,1030.08 841.85,1030.08 845.39,1026.54 845.39,990.14 848.93,986.6 865.45,986.6 868.99,990.14 868.99,1026.54 872.53,1030.08 889.05,1030.08 892.59,1026.54 892.59,999.7 896.13,996.16 912.65,996.16 916.19,999.7 916.19,1015.39 919.73,1018.93 953.87,1018.93 1046.48,1018.93 1063.14,1035.58 v2(1063.14,1065.68)
DRAM_DMI0_A: U1.B2 U2.Y10 | length 804.1
  TOP w3: 1113,1644.99 1113,1650.34 1113.17,1650.51 1113.17,1658.55 1113,1658.72 1113,1660.82
  TOP w3.35: v2(1096.4,1704.62) 1096.4,1688.6 1108.96,1676.04 1108.96,1664.86 1113,1660.82 ; 1113,1644.99 1121.31,1636.68 U1.B2@1123.14,1636.68
  TOP w4.4: U2.Y10@599.52,1596.46 599.92,1596.46 611.57,1608.11 614.12,1608.11 v2(615.27,1609.25)
  L3_IN1 w3.6: v2@615.14,1610.68 616.69,1610.68 630.14,1624.13 630.14,1715.14 656.68,1741.68 739,1741.68 740.8,1741.68 740.8,1751.08 764.4,1751.08 764.4,1732.28 788,1732.28 788,1751.08 811.6,1751.08 811.6,1732.28 835.2,1732.28 835.2,1751.08 858.8,1751.08 858.8,1741.68 883,1741.68 1067.32,1741.68 1090.14,1718.86 1090.14,1712.92 1096.4,1706.67 v2(1096.4,1704.62)